# Allegro board RK_NVR_DEMO_RK3568_DDR4P216SD4_V12_20201221YWQ_final.brd (continued)
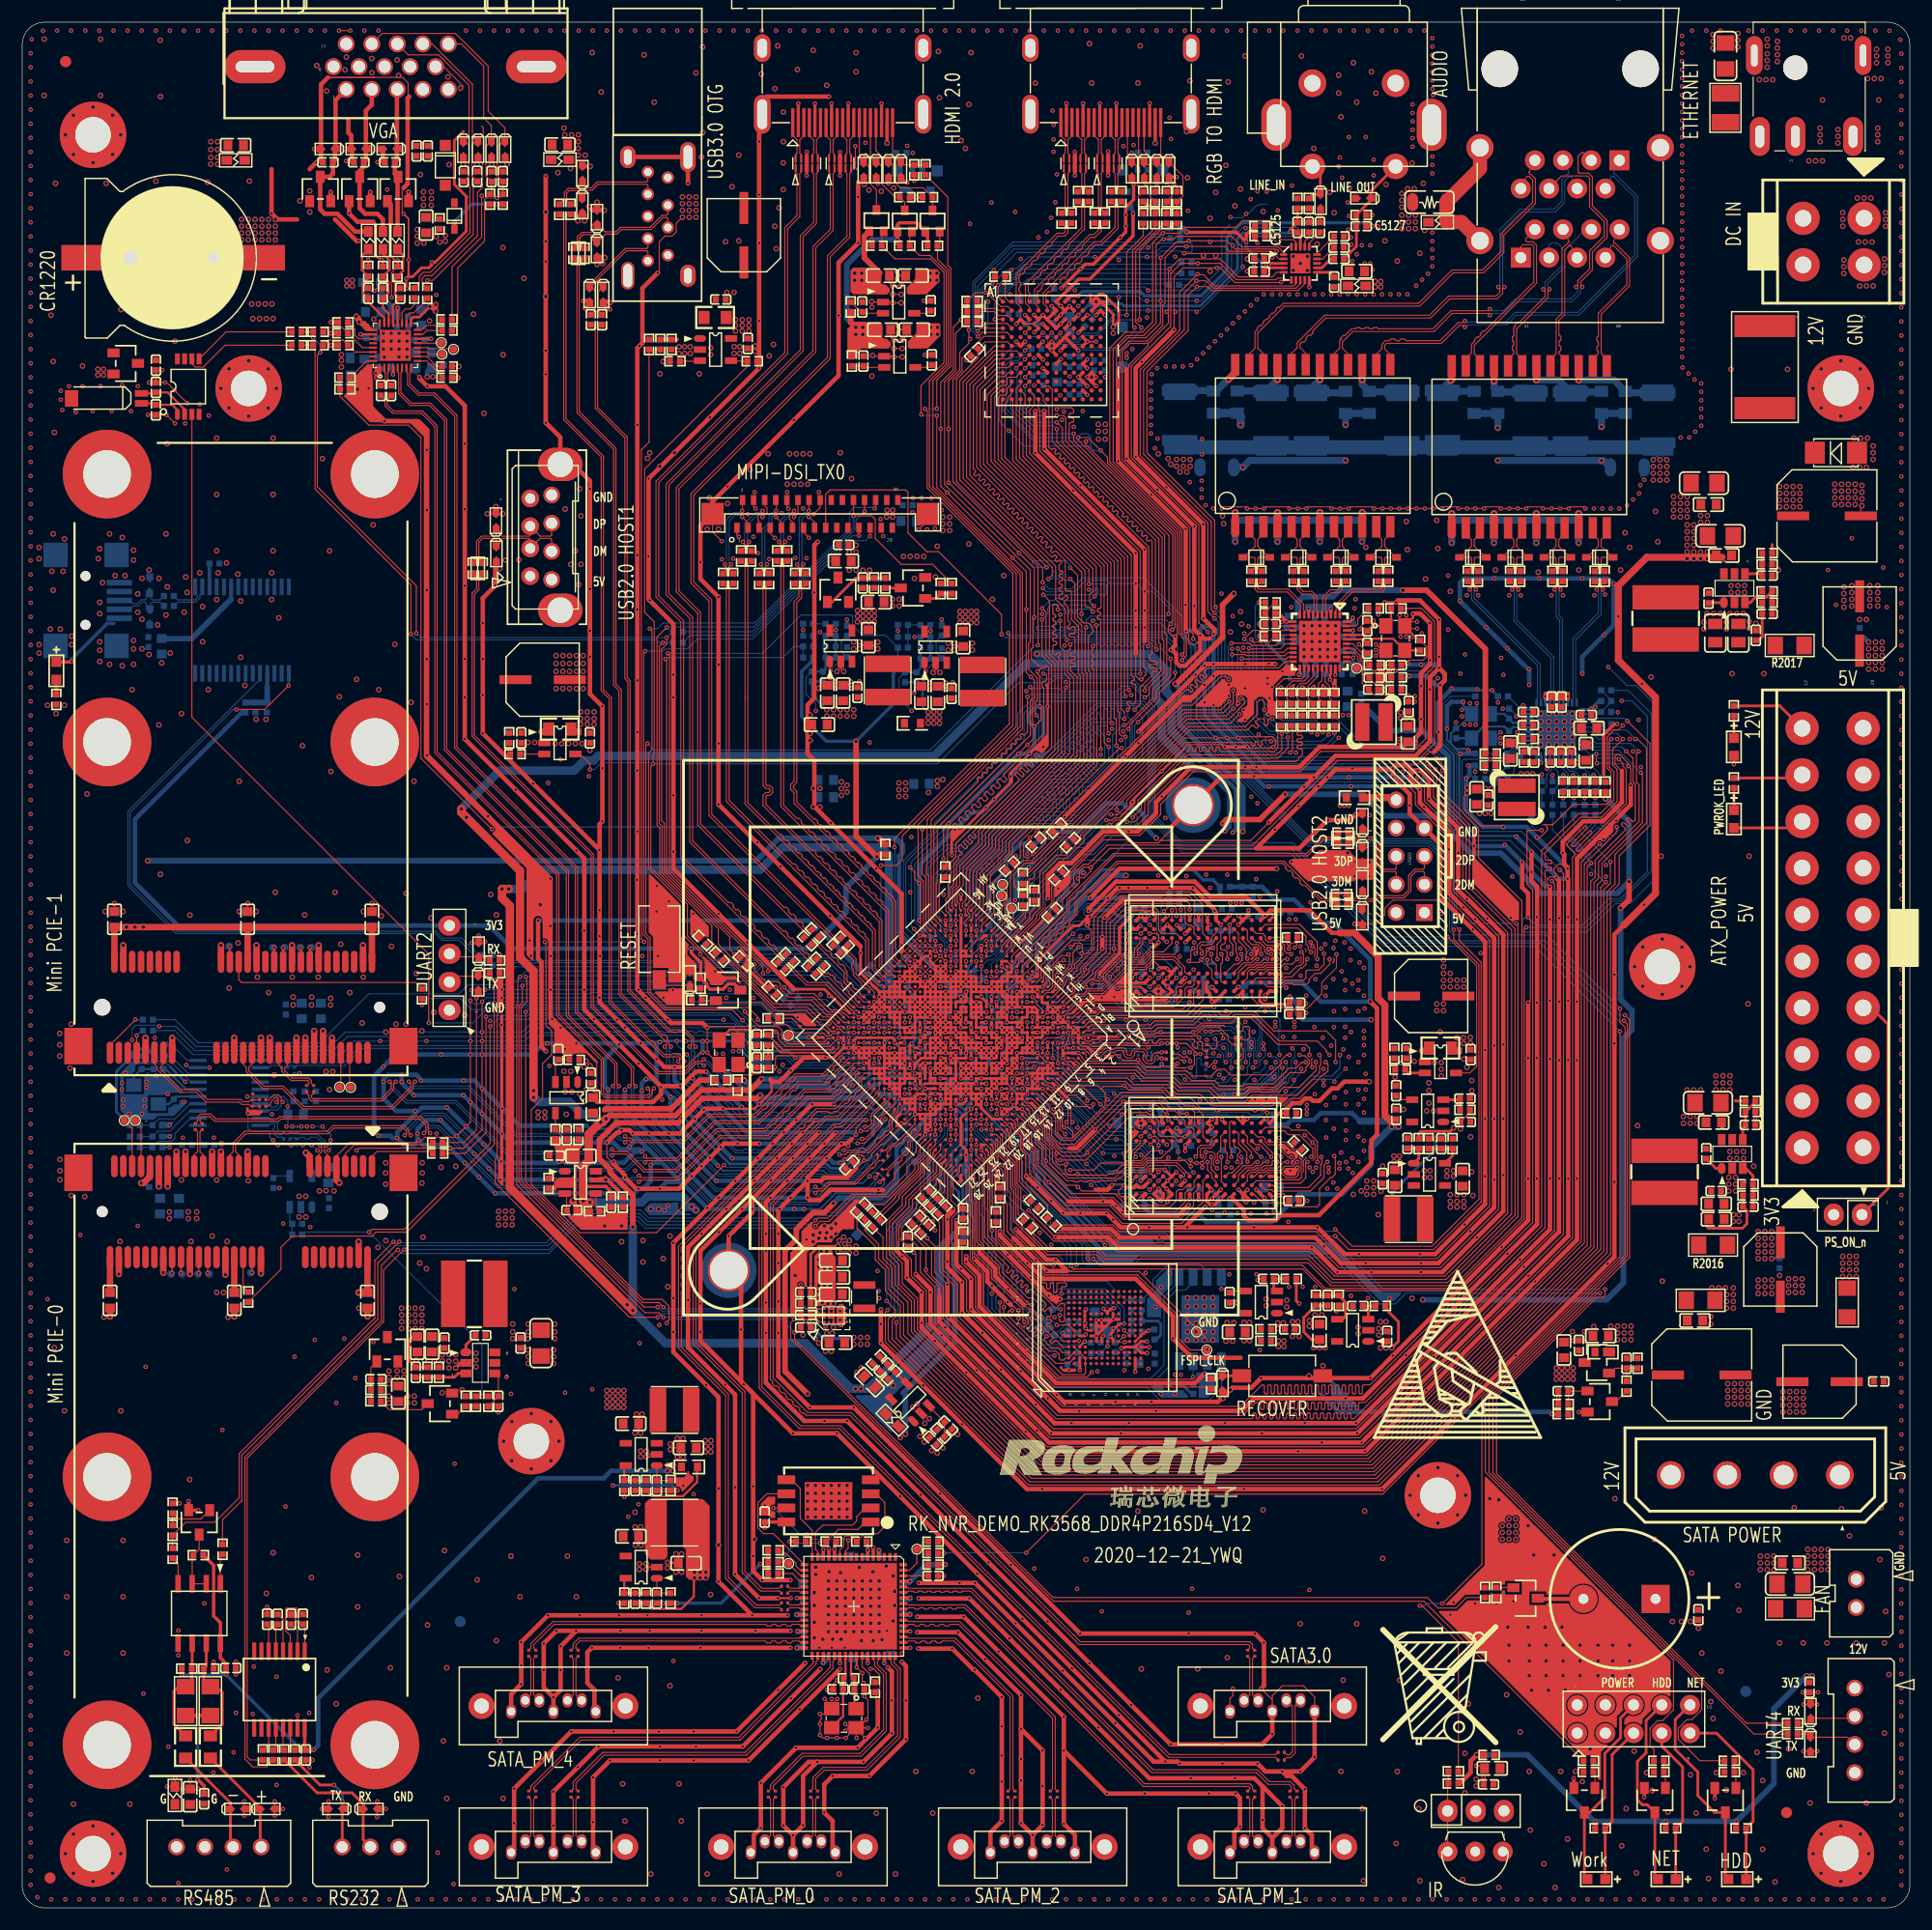
[diagram p0: board, top side]
## Nets (continued)
PHY0_MDI0+: R6700.1 U6700.1
PHY0_MDI0-: R6704.1 U6700.2
PHY0_MDI1+: R6702.1 U6700.4
PHY0_MDI1-: R6703.1 U6700.5
PHY0_MDI2+: R6705.1 U6700.6
PHY0_MDI2-: R6706.1 U6700.7
PHY0_MDI3+: R6707.1 U6700.9
PHY0_MDI3-: R6709.1 U6700.10
PHY0_MDI_0+: ED6704.2 R6700.2 U6701.2
PHY0_MDI_0-: ED6704.1 R6704.2 U6701.3
PHY0_MDI_1+: ED6703.2 R6702.2 U6701.5
PHY0_MDI_1-: ED6703.1 R6703.2 U6701.6
PHY0_MDI_2+: ED6702.2 R6705.2 U6701.8
PHY0_MDI_2-: ED6702.1 R6706.2 U6701.9
PHY0_MDI_3+: ED6701.2 R6707.2 U6701.11
PHY0_MDI_3-: ED6701.1 R6709.2 U6701.12(TD4-)
PHY0_REG_OUT: L6700.1 U6700.30
PHY0_RSTN: C6716.1 R6738.2 R6739.2 U6700.12
PHY0_RXCLK/PHYAD1: R6726.1 R6744.1 U6700.27
PHY0_RXD0/RXDLY: R6728.1 R6729.2 R6740.1 U6700.25
PHY0_RXD1/TXDLY: R6730.1 R6731.2 R6741.1 U6700.24
PHY0_RXD2/PLLOFF: R6733.1 R6734.2 R6742.1 U6700.23
PHY0_RXD3/PHYAD0: R6724.1 R6725.2 R6743.1 U6700.22
PHY0_RXDV/PHYAD2: R6727.1 R6745.1 U6700.26
PHY0_XTALIN: C6701.1 R6701.1 U6700.36 Y6700.3(X2)
PHY0_XTALOUT: C6700.1 R6708.2 U6700.37(XTAL_OUT/EXT_CLK) Y6700.1
PHY1_CLKOUT125: R6810.2 U6800.35
PHY1_LED0/CFG_EXT: R6817.1 R6818.2 U6800.32
PHY1_LED1/CFG_LDO0: C6806.1 R6821.1 U6800.33
PHY1_LED2/CFG_LDO1: C6805.1 R6819.1 R6820.2 U6800.34
PHY1_MDI0+: R6809.1 U6800.1
PHY1_MDI0-: R6807.1 U6800.2
PHY1_MDI1+: R6806.1 U6800.4
PHY1_MDI1-: R6805.1 U6800.5
PHY1_MDI2+: R6803.1 U6800.6
PHY1_MDI2-: R6802.1 U6800.7
PHY1_MDI3+: R6801.1 U6800.9
PHY1_MDI3-: R6800.1 U6800.10
PHY1_MDI_0+: ED6804.2 R6809.2 U6801.12(TD4-)
PHY1_MDI_0-: ED6804.1 R6807.2 U6801.11
PHY1_MDI_1+: ED6803.2 R6806.2 U6801.9
PHY1_MDI_1-: ED6803.1 R6805.2 U6801.8
PHY1_MDI_2+: ED6802.2 R6803.2 U6801.6
PHY1_MDI_2-: ED6802.1 R6802.2 U6801.5
PHY1_MDI_3+: ED6801.2 R6801.2 U6801.3
PHY1_MDI_3-: ED6801.1 R6800.2 U6801.2
PHY1_REG_OUT: L6800.1 U6800.30
PHY1_RSTN: C6816.1 R6838.2 R6839.2 U6800.12
PHY1_RXCLK/PHYAD1: R6825.1 R6826.2 R6844.1 U6800.27
PHY1_RXD0/RXDLY: R6828.1 R6829.2 R6840.1 U6800.25
PHY1_RXD1/TXDLY: R6830.1 R6831.2 R6841.1 U6800.24
PHY1_RXD2/PLLOFF: R6833.1 R6834.2 R6842.1 U6800.23
PHY1_RXD3/PHYAD0: R6823.2 R6843.1 U6800.22
PHY1_RXDV/PHYAD2: R6827.1 R6845.1 U6800.26
PHY1_XTALIN: C6801.1 R6804.1 U6800.36 Y6800.3(X2)
PHY1_XTALOUT: C6800.1 R6808.2 U6800.37(XTAL_OUT/EXT_CLK) Y6800.1
PI6C_OE: R8513.2 U8501.8
PI6C_PDN: R8512.2 U8501.7
PI6C_S0: R8508.2 R8509.1 U8501.2
PI6C_S1: R8510.2 R8511.1 U8501.3
PI6C_S2: R8506.2 R8507.1 U8501.4
PMIC_SLEEP_H: U1000.AG28 U2104.A1(VSEL)
POWER_LED+: J9001.5 LED9000.1 R9003.2
POWER_LED-: J9001.6 LED9000.2(CATHODE) Q9000.3
POWER_LED_EN_H_GPIO0_C4: R9006.1 U1000.AD21
PWM1_M0_LOGIC: R2110.2 R2114.1 U1000.AD22
PWM2_M0_NPU: R2112.2 R2116.1 U1000.AF23
PWM15_IR_M1: C9000.1 R9001.1 U1000.AA11
RESETN: C1200.1 R1201.1 R1203.2 R1204.1 U1000.AH27 U1201.2
RK616_HDMI_INT_GPIO0_B0: U1000.AD23 U5100.E1
RK616_RST_GPIO1_B2: C5100.1 U1000.A21 U5100.F2
RS232_RX: ED9502.1 J9502.2 R9514.2
RS232_TX: ED9503.1 J9502.3 R9512.2
RSET0: R6722.1 U6700.39
RSET1: R6822.1 U6800.39
RTCIC_INT_L_GPIO0_D3: U1000.AE26 U2200.3
SARADC_VIN0_KEY/RECOVERY: C1500.1 R1500.2 R1501.1 U1000.B27
SATA1_RXN: C8302.1 U1000.U27
SATA1_RXP: C8303.1 U1000.U28
SATA1_TXN: C8301.1 U1000.V27
SATA1_TXP: C8300.1 U1000.V28
SATA1RXN: C8302.2 J8300.5
SATA1RXP: C8303.2 J8300.6
SATA1TXN: C8301.2 J8300.3
SATA1TXP: C8300.2 J8300.2(TXP)
SATA2_RXN: C8322.1 U1000.Y28
SATA2_RXP: C8323.1 U1000.Y27
SATA2_TXN: C8321.1 U1000.W28
SATA2_TXP: C8318.1 U1000.W27
SATAPM_GPIO0: U8300.17 U8301.6
SATAPM_GPIO1: U8300.16 U8301.5
SATAPM_GPIO2: U8300.15 U8301.2
SATAPM_GPIO3: R8321.2 U8300.11 U8301.3(W\P\(D2))
SATAPM_GPIO4: R8322.2 U8300.10 U8301.7
SATAPM_GPIO12: R8302.2 TP8301.1 U8300.63
SATAPM_GPIO13: R8306.2 TP8302.1 U8300.19
SATAPM_GPIO14: R8305.2 R8320.2 U8300.18(ZGPIO14) U8301.1
SATAPM_REXT: R8303.1 U8300.42
SATAPM_RSTN: C8310.1 R8300.2 R8301.2 U8300.62
SATAPM_RSTN_GPIO4_D2: R8301.1 U1000.AB9
SATAPM_RXN0: C8316.1 U8300.45
SATAPM_RXN1: C8306.1 U8300.57
SATAPM_RXN2: C8311.1 U8300.51
SATAPM_RXN3: C8326.1 U8300.34
SATAPM_RXN4: C8344.1 U8300.28
SATAPM_RXN5: C8321.2 U8300.22
SATAPM_RXN_0: C8316.2 J8303.5
SATAPM_RXN_1: C8306.2 J8301.5
SATAPM_RXN_2: C8311.2 J8302.5
SATAPM_RXN_3: C8326.2 J8304.5
SATAPM_RXN_4: C8344.2 J8305.5
SATAPM_RXP0: C8317.1 U8300.44
SATAPM_RXP1: C8307.1 U8300.56
SATAPM_RXP2: C8312.1 U8300.50
SATAPM_RXP3: C8327.1 U8300.33
SATAPM_RXP4: C8345.1 U8300.27
SATAPM_RXP5: C8318.2 U8300.21
SATAPM_RXP_0: C8317.2 J8303.6
SATAPM_RXP_1: C8307.2 J8301.6
SATAPM_RXP_2: C8312.2 J8302.6
SATAPM_RXP_3: C8327.2 J8304.6
SATAPM_RXP_4: C8345.2 J8305.6
SATAPM_TESTN: R8307.2 U8300.20
SATAPM_TXN0: C8315.1 U8300.47
SATAPM_TXN1: C8305.1 U8300.59
SATAPM_TXN2: C8309.1 U8300.53
SATAPM_TXN3: C8325.1 U8300.36
SATAPM_TXN4: C8343.1 U8300.30
SATAPM_TXN5: C8322.2 U8300.24
SATAPM_TXN_0: C8315.2 J8303.3
SATAPM_TXN_1: C8305.2 J8301.3
SATAPM_TXN_2: C8309.2 J8302.3
SATAPM_TXN_3: C8325.2 J8304.3
SATAPM_TXN_4: C8343.2 J8305.3
SATAPM_TXP0: C8314.1 U8300.48
SATAPM_TXP1: C8304.1 U8300.60
SATAPM_TXP2: C8308.1 U8300.54
SATAPM_TXP3: C8324.1 U8300.37
SATAPM_TXP4: C8342.1 U8300.31
SATAPM_TXP5: C8323.2 U8300.25
SATAPM_TXP_0: C8314.2 J8303.2(TXP)
SATAPM_TXP_1: C8304.2 J8301.2(TXP)
SATAPM_TXP_2: C8308.2 J8302.2(TXP)
SATAPM_TXP_3: C8324.2 J8304.2(TXP)
SATAPM_TXP_4: C8342.2 J8305.2(TXP)
SATAPM_XIN: C8320.1 R8304.2 U8300.39 Y8300.3(X2)
SATAPM_XOUT: C8319.1 R8304.1 U8300.40 Y8300.1
SMB_SCL: R5901.2 R5904.2 U5900.30
SMB_SDA: R5900.2 R5903.2 U5900.29
SPDIF_TX_M1: R1803.2 U5100.F4
TP_INT_L_GPIO0_B5: J5200.25 U1000.AC22
TP_RST_L_GPIO0_B6: J5200.26 U1000.AA20
TSADC_SHUT_M0: R1201.2 U1000.AG26
UART2_RX_M0_DEBUG: R9100.1 R9106.1 U1000.AC20
UART2_TX_M0_DEBUG: R9101.1 R9107.1 U1000.AH24
UART4_RX_M0: R9500.1 U1000.F18
UART4_TX_M0: R9501.1 U1000.C20
UART5_RX_M0: R9511.2 U1000.H27
UART5_TX_M0: R9513.2 U1000.H28
UART6_RX_M1: R9504.1 U1000.J24
UART6_TX_M1: R9507.1 R9509.1 U1000.J25
USB2_AVDD_0V9: C1406.1 R1401.1 U1000.R8
USB2_AVDD_1V8: C1405.1 R1403.1 U1000.P9
USB2_HOST2_DM: L2502.4 R2527.2 U1000.R1
USB2_HOST2_DP: L2502.2 R2526.2 U1000.R2
USB2_HOST2DM: D2513.1 J2502.3 L2502.3 R2527.1
USB2_HOST2DP: D2514.1 J2502.5 L2502.1 R2526.1
USB2_HOST3_DM: L2503.4 R2532.2 U1000.T1
USB2_HOST3_DP: L2503.2 R2531.2 U1000.T2
USB2_HOST3DM: D2515.1 J2502.4 L2503.3 R2532.1
USB2_HOST3DP: D2516.1 J2502.6 L2503.1 R2531.1
USB3_AVDD_0V9: C1403.1 C1408.1 C1409.1 R1400.1 U1000.P22 U1000.R20 U1000.R21
USB3_AVDD_1V8: C1402.1 C1407.1 C1410.1 R1402.1 U1000.P23 U1000.R22
USB3_HOST1_DM: L2501.4 R2515.2 U1000.P25
USB3_HOST1_DP: L2501.2 R2513.2 U1000.P24
USB3_HOST1DM: D2510.1 J2501.2 J2503.2 L2501.3 R2515.1
USB3_HOST1DP: D2507.1 J2501.3(TX) J2503.3 L2501.1 R2513.1
USB3_OTG0_DM: L2500.4 R2503.2 U1000.P28
USB3_OTG0_DP: L2500.2 R2502.2 U1000.P27
USB3_OTG0_SSRXN: R2505.1 U1000.R27
USB3_OTG0_SSRXP: R2506.1 U1000.R28
USB3_OTG0_SSTXN: C2500.1 U1000.T27
USB3_OTG0_SSTXP: C2501.1 U1000.T28
USB3_OTG0_VBUSDET: C1400.1 R2500.1 R2501.1 U1000.M24
USB3_OTG0DM: D2504.1 J2500.2 L2500.3 R2503.1
USB3_OTG0DP: D2500.1 J2500.3 L2500.1 R2502.1
USB3_OTG0SSRXN: D2502.1 J2500.5 R2505.2
USB3_OTG0SSRXP: D2501.1 J2500.6 R2506.2
USB3_OTG0SSTXN: C2500.2 D2505.1 J2500.8
USB3_OTG0SSTXP: C2501.2 D2506.1 J2500.9
USB_HOST_PWREN_H_GPIO0_A5: R2511.1 U1000.AF25 U2500.4 U2501.4 U2502.4
VDD_GPU/NPU: C1012.1 C1013.1 C1014.1 C1017.1 C1018.1 C1019.1 C1020.1 C1022.1 C2114.1 C2114.2 C2115.1 C2116.1 C2122.1 C2150.1 C2151.1 L2102.2 R2109.1 R2109.2 R2113.1 R2135.2 U1000.M19 U1000.N19 U1000.P18 U1000.P19 U1000.P20 U1000.R13 U1000.T13 U1000.U11 U1000.U12 U1000.U13
VGA_B: C5911.1 FB5902.1 R5909.1 U5900.21
VGA_B_CON: C5912.1 D5903.1 D5912.3 FB5902.2 J5900.3
VGA_CHASSIS_GND: C5924.1 C5925.1 FB5904.1 FB5905.1 J5900.16 J5900.17
VGA_DDC_SCL: C5916.1 D5905.1 J5900.15 R5912.2 R5915.2
VGA_DDC_SDA: C5915.1 D5906.1 J5900.12 R5911.2 R5914.2
VGA_G: C5905.1 FB5901.1 R5908.1 U5900.22
VGA_G_CON: C5906.1 D5901.1 D5911.3 FB5901.2 J5900.2
VGA_HSYNC: R5913.1 U5900.19
VGA_HSYNC_CON: C5914.1 D5904.1 J5900.13 R5913.2
VGA_R: C5903.1 FB5900.1 R5905.1 U5900.23
VGA_R_CON: C5904.1 D5900.1 D5910.3 FB5900.2 J5900.1
VGA_SCL: R5915.1 U5900.15
VGA_SDA: R5914.1 U5900.16
VGA_VSYNC: R5918.1 U5900.18(VSYNC)
VGA_VSYNC_CON: C5919.1 D5907.1 J5900.14(VS) R5918.2
VREF_DDR4_CA: C3305.1 C3306.1 R3321.2 R3322.1 R3323.1 U3300.M1 U3301.M1
XIN24M: C1202.1 R1202.2 U1000.AF28 Y1200.3(X2)
XOUT24M: R1200.2 R1202.1 U1000.AF27
N05451: C3329.1 R3325.2 U3302.3
N05479: C3330.1 U3302.4
N09455: R3313.1 U3300.F9(ZQ)
N09471: R3312.1 U3301.F9(ZQ)
N14549718: D5000.2(K) R5001.1 R5003.1
N16770801: C1201.1 R1200.1 Y1200.1
N16788127: C3300.1 R3300.2 R3301.2
N16836371: C2011.1 R2004.2 R2006.1 U2000.4
N16836752: C2004.2 L2000.1 U2000.6
N16836754: C2004.1 U2000.1
N16836829: C2007.2 R2005.2 R2007.1 U2000.3
N16838957: C2019.1 R2009.2 R2011.1 U2001.4
N16838996: C2012.2 L2001.1 U2001.6
N16838998: C2012.1 U2001.1
N16839057: C2015.2 R2010.2 R2012.1 U2001.3
N16851460: R3315.1 U3300.T7
N16851478: R3317.1 U3300.E9
N16851904: R3314.1 U3301.T7
N16851922: R3316.1 U3301.E9
N16892171: C4009.1 U4000.C2
N17070629: C2206.1 R2202.2 U2201.3
N17071312: C2204.2 R2203.2 R2204.1 U2201.4
N17076569: C2302.1 R2304.2 U2300.3
N17076575: C2303.1 U2300.4
N17186928: R2512.1 U2500.3
N17187928: R2525.1 U2502.3
N17368057: IR9000.1 J9000.1 R9000.2 R9001.2
N17371607: D9101.1 J9100.3 R9100.2
N17371609: D9100.1 J9100.2(RX) R9101.2
N17843597: C2201.1 U2200.2 Y2200.1
N17845297: C2200.1 U2200.1 Y2200.2
N17846195: D2200.1 J2200.1
N18031326: TP6700.1 U6700.31
N18076942: TP6801.1 U6800.31
N18256405: R2518.1 U2501.3
N18723455: R9505.1 R9508.1 R9515.1 U9500.7
N18723469: R9503.2 R9506.1 R9516.1 U9500.6
N18894390: ED9501.1 J9500.2 R9500.2
N18894404: ED9500.1 J9500.3(TX) R9501.2
N19082437: D5902.2(K) R5911.1 R5912.1
N19111721: R5910.2 U5900.9
N19111948: R5916.1 U5900.10
N19112528: TP5900.1 U5900.11
N19112533: TP5901.1 U5900.12
N19112540: TP5902.1 U5900.13
N19115554: R5902.2 U5900.27
N19161476: C5201.2 Q5200.1 R5201.2 R5202.1
N19161494: Q5201.3 R5202.2
N19161507: Q5201.1 R5203.2 R5204.1
N21503881: C2134.1 R2122.2 U2104.A2
N21503903: L2103.1 U2104.D3 U2104.D4 U2104.E3 U2104.E4
N21507132: C2102.2 R2100.2 R2104.1 U2100.4
N21507193: C2105.1 R2101.2 U2100.3
N21508579: C2131.2 Q2100.1 R2123.2 R2125.1
N21508597: Q2101.3 R2125.2
N21508613: C2145.1 Q2101.1 R2126.2 R2127.1
N21509666: C2120.2 R2111.2 R2115.2 R2119.1 U2102.5
N21509814: C2117.1 R2106.2 U2102.1
N21509854: L2101.1 U2102.3
N21511913: C2123.1 R2114.2 R2115.1 R2118.1
N21514633: C2104.2 R2103.2 R2105.1 U2101.5
N21514783: C2108.1 R2102.2 U2101.1
N21514825: L2100.1 U2101.3
N21553015: C2136.2 R2129.2 R2132.1 U2105.4
N21553058: C2141.1 R2128.2 U2105.3
N21554138: C2139.2 R2131.2 R2133.1 U2106.4
N21554181: C2142.1 R2130.2 U2106.3
N21563044: R5105.1 R5107.1 U5100.D2
N21569386: C8329.2 R8310.2 R8311.1 U8302.5
N21569522: C8341.1 R8309.2 U8302.1
N21569578: L8300.1 U8302.3
N21569989: C8347.2 R8313.2 R8314.1 U8303.5
N21570125: C8359.1 R8312.2 U8303.1
N21570181: L8301.1 U8303.3
N21594460: C8518.1 R8531.2 U8502.4
N21594590: C8514.2 L8500.1 U8502.6
N21594592: C8514.1 U8502.1
N21594594: C8517.2 R8532.2 R8533.1 U8502.3
N21597267: C8509.1 U8501.5 Y8500.1
N21597279: C8510.1 R8524.1 Y8500.3(X2)
N21597405: R8524.2 U8501.6(X2)
N21597531: R8527.1 U8501.10
N21597611: C8512.1 C8513.1 R8530.2 U8501.15
N21599575: C8504.1 U8500.4
N21599598: R8514.2 R8515.1 U8500.3
N21602136: J8501.30 TP8508.1
N21602154: J8501.32 TP8509.1
N21602172: J8500.30 TP8501.1
N21602190: J8500.32 TP8502.1
N21602258: J8501.45 TP8512.1
N21602276: J8501.47 TP8513.1
N21602301: J8500.45 TP8505.1
N21602303: J8500.47 TP8506.1
N21603110: J8501.20(W_DISABLE#) TP8507.1
N21603131: J8500.20(W_DISABLE#) TP8500.1
N21603156: J8501.36 TP8510.1
N21603165: J8501.38 TP8511.1
N21603192: J8500.36 TP8503.1
N21603201: J8500.38 TP8504.1
N21604892: Q9001.1 R9007.2 R9010.1
N21604980: Q9002.1 R9008.2 R9011.1
N21605068: Q9000.1 R9006.2 R9009.1
N21605777: Q7000.1 R7004.2 R7005.1
N21605860: BP7000.2(G) Q7000.3
N21605953: R1502.1 U1000.AF8
N21606908: R1901.1 U1000.A19
N21606911: R1902.1 U1000.B19
N21606914: R1904.1 U1000.A20
N21607391: C7005.1 U7000.12
N21607575: C7004.1 U7000.14
N21607578: C7003.1 U7000.15
N21607622: C7002.1 U7000.16(VMID)
N21607655: C7000.1 U7000.18
N21607662: C7001.1 U7000.17
N21615493: R9504.2 U9500.1
N21615495: R9507.2 U9500.4
N21615510: Q9500.3 R9502.2 U9500.2 U9500.3
N21615528: Q9500.1 R9509.2 R9510.1
N21615703: C9502.1 R9505.2 R9506.2
N21615728: C9502.2 C9503.1 FB9500.1 J9501.3(TX) J9501.4
N21617958: C9504.2 U9501.1
N21617961: C9504.1 U9501.3
N21617992: C9506.2 U9501.2
N21618021: C9507.2 U9501.4
N21618024: C9507.1 U9501.5
N21618065: C9508.2 U9501.6
N21619259: R9512.1 U9501.14
N21619262: R9514.1 U9501.13
N21650806: C2122.2 R2113.2 R2117.2 R2121.1 U2103.5
N21650954: C2118.1 R2108.2 U2103.1
N21650984: L2102.1 U2103.3
N21651012: C2124.1 R2116.2 R2117.1 R2120.1
N21655164: TP1601.1 U1000.AB1
N21655182: TP1602.1 U1000.AC1
N21655200: TP1603.1 U1000.AA1
N21695910: D5100.2(K) R5109.1
N21696552: D5101.2(K) R5120.1 R5121.1
N21697184: R5119.1 U5100.A2
N21703195: C5115.1 U5101.4
N21703791: C5114.1 R5125.2 U5101.3
N21704850: C5123.1 U5103.4
N21704904: C5122.1 R5126.2 U5103.3
N21706207: R9511.1 U9501.12
N21706210: R9513.1 U9501.11
N21706664: ED9505.1 J9501.1 R9515.2
N21706689: ED9504.1 J9501.2 R9516.2
N21707115: D5103.2(K) U5100.A11 U5100.A12 U5100.B11 U5100.E10 U5100.F10
N21724674: C6725.1 C6726.1 C6727.1 C6728.1 U6701.1 U6701.4 U6701.7 U6701.10
N21725684: C6704.1 R6746.2 R6747.2 R6748.2 R6749.2
N21738710: C6825.1 C6826.1 C6827.1 C6828.1 U6801.1 U6801.4 U6801.7 U6801.10
N21738826: C6804.1 R6846.2 R6847.2 R6848.2 R6849.2
N21750647: C6729.1 FB6701.2 J6700.1 J6700.2 J6700.3 J6700.4(G4)
N21756849: C2003.1 R2001.2
N21758443: J2000.14 J2004.1
N21771540: F2001.2 J2002.2
N21773697: C9516.2 Q9502.1 R9606.1 R9609.2
N21773715: Q9501.3 R9606.2
N21773731: Q9501.1 R9605.2 R9608.1
N21777742: C5128.1 U5100.D8
N21779349: R5111.1 U5100.C1
N21779356: R5112.1 U5100.C2
N21779359: R5114.1 U5100.B1
N21779362: R5115.1 U5100.A1
N21779365: R5117.1 U5100.B2
N21779889: C5125.1 U5100.C9
N21781422: C5127.1 U5100.A8
N21878888: TP1201.1 U1000.AG27
N21879338: D1201.1 R1204.2 SW1201.1
N21881423: J2502.10(OC) R2533.1
N21886811: R1803.1 U1000.AC2
N21887537: D1500.1 R1501.2 SW1500.1
N21892034: C2029.1 C2030.1 J2005.4 R2019.2
N21892112: C2027.1 C2028.1 J2005.1 R2018.2
N22020751: LED2001.1 R2020.2
N22068339: LED2002.1 R2021.2
N22068534: J2000.9 R2021.1
N22068551: J2000.8(PWR_OK) LED2002.2(CATHODE)
N22236399: C9100.1 C9101.1 R9102.2 U9100.4
N22236619: LED9100.2(CATHODE) R9103.1
N22236693: R9106.2 U9100.1
N22236695: R9107.2 U9100.5

Pads without a net: J2000 12 18; J5000 14; J5100 14; J5200 18 20 21; J5900 4 11; J8500 3 5 6 8 10 12 14 16 17 19 28 42 44 46 48 49 51; J8501 3 5 6 8 10 12 14 16 17 19 28 42 44 46 48 49 51; J9001 1 2 3 4; J9101 4; M9900 1; M9901 1; M9902 1; M9903 1; M9904 1; M9905 1; U1000 AA5 AA6 AA22 AB5 AC5 AC14 AC17 AD9 AD11 AD12 AD14 AD15 AD17 AD18 AD25 AE9 AE11 AE12 AE15 AE18 AG9 AG10 AG11 AG12 AH9 AH10 AH11 AH12 AH26 B2 C26 D8 D24 D26 E23 E25 E26 F21 F22 F26 G20 G21 L23 L28 M4 M5 M7 M27 M28 N27 P1 P2 P4 P5 P7 R4 R5 R7 R24 R25 U3 U24 U25 V4 V5 V6 V24 V25 Y7; U2200 7; U3300 P9; U3301 P9; U4000 A2 A7 A8 A9 A10 A11 A12 A13 A14 B1 B7 B8 B9 B10 B11 B12 B13 B14 C1 C3 C7 C8 C9 C10 C11 C12 C13 C14 D1 D2 D3 D4 D12 D13 D14 E1 E2 E3 E5 E8 E9 E10 E12 E13 E14 F1 F2 F3 F10 F12 F13 F14 G1 G2 G3 G10 G12 G13 G14 H1 H2 H3 H12 H13 H14 J1 J2 J3 J12 J13 J14 K1 K2 K3 K6 K7 K10 K12 K13 K14 L1 L2 L3 L12 L13 L14 M1 M2 M3 M7 M8 M9 M10 M11 M12 M13 M14 N1 N3 N6 N7 N8 N9 N10 N11 N12 N13 N14 P1 P2 P7 P8 P9 P10 P11 P12 P13 P14; U5100 A9 A10 B10 C11 C12 D3 D9 D11 D12 E3 E4 E9 E11 E12 F11 F12 G6 G8 G9 G10 G11 G12 H5 H6 H8 H9 H11 H12 J5 J7 J8 J9 J12 K6 K7 K8 K9 K12 L6 L7 L8 L9 L11 L12 M6 M7 M8 M9 M10 M11 M12; U5900 28 31; U7000 13; U8300 1 2 3 7 8 9 64; U8501 13 14; U9100 2 3 6 8 9 10 11 12 13 14 19 22 23 24 27 28; U9501 7 8 9 10

## Via types
v1: diameter 0.4, hole 0.2, TOP to BOTTOM, 3655 vias
v2: diameter 0.5, hole 0.3, TOP to BOTTOM, 2041 vias

## Routing (per net, layer and track width the routed paths; a pad name or vN(x,y) marks a point on that pad's centre or on a via; arc(x,y) is an arc through that point)
DDR4_BG1/VSS: length 28.9
  TOP w0.102: U3301.M9 109.04,70.89 108.89,70.89 108.79,70.79 108.79,68.55 108.94,68.4 v1(108.94,67.69) ; v1(108.94,85.97) 109.07,86.1 109.07,86.85 108.79,87.12 v1(108.79,88.62) U3300.M9
  POWER w0.089: v1(109.69,76.89) 109.69,77.71 109.47,77.93 109.47,78.24
  POWER w0.1: 109.88,79.04 109.47,78.64 109.47,78.24 ; v1(109.69,76.89) 109.69,76.09 109.59,75.99 109.59,75.54 109.91,75.22 109.91,73.75 110.01,73.65 110.01,69.98 109.52,69.48 109.52,68.57 108.94,67.99 v1(108.94,67.69)
  POWER w0.102: 109.88,79.04 109.88,79.65 109.78,79.76 109.78,80.17 109.84,80.24 109.84,81.54 110.16,81.85 110.16,82.45 109.98,82.63 109.98,83.11 109.32,83.77 109.32,84.89 108.94,85.27 v1(108.94,85.97)
  BOTTOM w0.089: v1(108.94,67.69) 108.94,68.11 R3318.1 ; v1(108.79,88.62) 108.87,88.54 R3319.1 ; R3320.1 109.47,77.1 v1(109.69,76.89)
GND: length 7511.2
  TOP w0.089: U1000.U1 89.53,85.69 89.53,85.42 89.52,85.42 89.52,85.24 89.15,84.87 ; U1000.AF11 80.91,85.81 81.8,86.7 81.8,86.73 ; 79.61,85.25 79.61,85.41 81.36,87.17 ; 79.61,85.25 v1(79.99,84.87) ; 79.61,85.25 79.23,85.63 79.23,86.2 79.48,86.2 v1(80.91,87.63) 80.6,87.94 ; 91.39,85.14 91.29,85.14 90.58,84.43 ; 116.38,85.75 116.48,85.85 116.48,86.44 v1(116.24,86.68) 116.24,86.88 116.09,87.04 ; v1(107.66,66.67) 107.34,66.99 107.34,67.4 107.49,67.54 107.49,67.94 107.29,68.14 v1(106.62,68.14) 106.64,68.11 106.64,67.6 106.3,67.25 v1(106.3,67.14) v1(105.82,67.14) 105.54,67.14 105.3,67.38 ; 85.5,85.79 v1(86.42,86.71) ; 84.96,71.58 85.08,71.58 v1(85.5,72) 85.94,72.44 85.96,72.44 ; U1000.A10 92.78,74.37 92.32,74.37 91.94,74.76 ; v1(95.61,78.44) 95.92,78.74 96.27,78.74 96.47,78.54 96.89,78.54 U1000.A1 ; U1000.D3 94.69,78.89 94.31,78.51 ; 79.99,75.18 79.99,75.22 80.4,75.64 80.4,75.64 ; v1(78.15,75.69) 78.15,75.68 79.07,74.76 ; 89.18,75.22 89.18,75.22 89.18,75.22 89.64,74.76 ; 81.36,87.17 U1000.AH8 80.92,88.07 80.92,88.27 ; 81.36,87.17 81.8,86.73 ; 81.41,73.36 81.82,72.94 v1(81.82,72.92) ; 79.59,70.69 v1(80.45,71.54) ; v1(96.48,77.1) 96.92,77.1 97.23,77.42 ; 85.8,65.24 85.8,66.34 v1(85.9,66.45) ; D2513.2 121.96,88.68 122.78,89.51 122.78,90.12 123.49,90.83 125.43,90.83 ; 88.72,72.92 89.3,72.33 v1(89.38,72.33) ; 94.59,82.84 94.52,82.76 v1(94.52,82.74) ; v1(114.66,86.56) 114.86,86.77 114.86,86.97 ; 115.57,86.46 115.67,86.36 115.67,86.16 ; 90.2,87.23 v1(89.79,86.82) ; 114.86,86.97 114.25,86.97 114.17,86.89 v1(114.15,86.89) 114.15,86.48 v1(114.14,86.47) ; 114.86,86.97 114.9,87.01 114.9,87.04 ; 105.29,67.38 v1(105.29,66.84) ; 86.42,87.37 86.32,87.27 86.11,87.27 85.04,86.21 ; 82.28,84.41 81.45,85.24 81.43,85.24 79.71,86.97 79.71,87.05 ; v1(115.55,69.66) 115.58,69.66 v1(116.26,68.98) 116.48,68.76 116.48,67.56 116.28,67.36 ; 115.06,85.14 115.24,85.32 115.24,85.67 115.16,85.75 ; v1(79.2,70.71) 79.2,70.41 79.16,70.37 ; v1(87.34,72.92) 87.8,72.46 v1(87.8,72.46) ; 90.1,83.95 90.58,84.43 ; 90.58,84.43 90.58,84.39 v1(91.02,83.95) ; 79.99,83.06 79.99,83.03 80.45,82.57 80.46,82.57 80.92,83.03 ; 79.99,83.06 U1000.AE14 ; 79.99,83.06 79.5,82.58 ; v1(80.45,85.33) 79.23,86.54 ; 91.9,82.11 92.28,82.5 92.78,82.5 U1000.K1 92.86,82.57 ; v1(116.24,75.79) 116.18,75.85 116.18,76.5 116.28,76.61 ; 81.8,86.73 v1(82.28,86.25) U1000.AF9 81.34,86.25 80.17,87.42 80.17,87.52 ; 79.97,72 79.51,71.54 U1000.N28 79.2,71.67 79.2,72.14 79.5,72.44 79.5,72.54 ; 118.11,85.65 118.21,85.55 118.21,85.34 118.11,85.24 118.11,85.14 ; 95.34,81.38 v1(95.15,81.19) ; 78.15,74.76 79.07,75.68 ; 94.09,74.44 94.07,74.44 93.29,75.22 ; 115.27,65.94 115.27,66.24 115.44,66.42 115.44,67.36 115.65,67.56 115.67,67.56 115.67,67.67 ; v1(90.1,74.76) v1(90.56,75.22) ; 87.8,73.84 88.26,73.38 ; 96.22,77.37 96.28,77.42 97.11,77.42 ; v1(80.91,83.95) 80.92,83.95 82.05,85.08 82.08,85.08 82.08,85.12 v1(82.74,85.79) ; 90.64,86.79 90.35,86.5 89.91,86.06 ; v1(80.45,74.3) 81.15,73.59 81.15,73.36 ; 96.68,80.75 96.67,80.75 ; 91.96,76.57 91.96,76.62 v1(92.4,77.06) U1000.E7 ; 90.1,74.3 90.56,73.84 ; v1(80.91,84.87) v1(81.82,83.95) ; 79.97,72.92 81.29,74.24 ; v1(91.48,72) 91.51,71.97
  TOP w0.1: 115.27,65.94 115.27,65.84 115.06,65.63 113.54,65.63 113.49,65.69 v1(113.24,65.69) ; 113.94,74.37 113.64,74.37 113.13,73.86 ; 108.36,79.45 108.25,79.55 106.32,79.55 105.82,79.04 105.61,79.04 v1(105.51,78.94) 105.41,78.84 102.16,78.84 102.06,78.74 100.23,78.74 100.13,78.64 ; v1(108.22,78.39) 108.15,78.46 108.15,78.74 107.85,79.04 107.34,79.04 107.29,78.99 v1(107.09,78.99) ; 109.58,73.36 110.08,73.36 110.39,73.66 ; v1(116.08,87.05) 116.09,87.04